# KiCad board ControlBoard.kicad_pcb (continued)
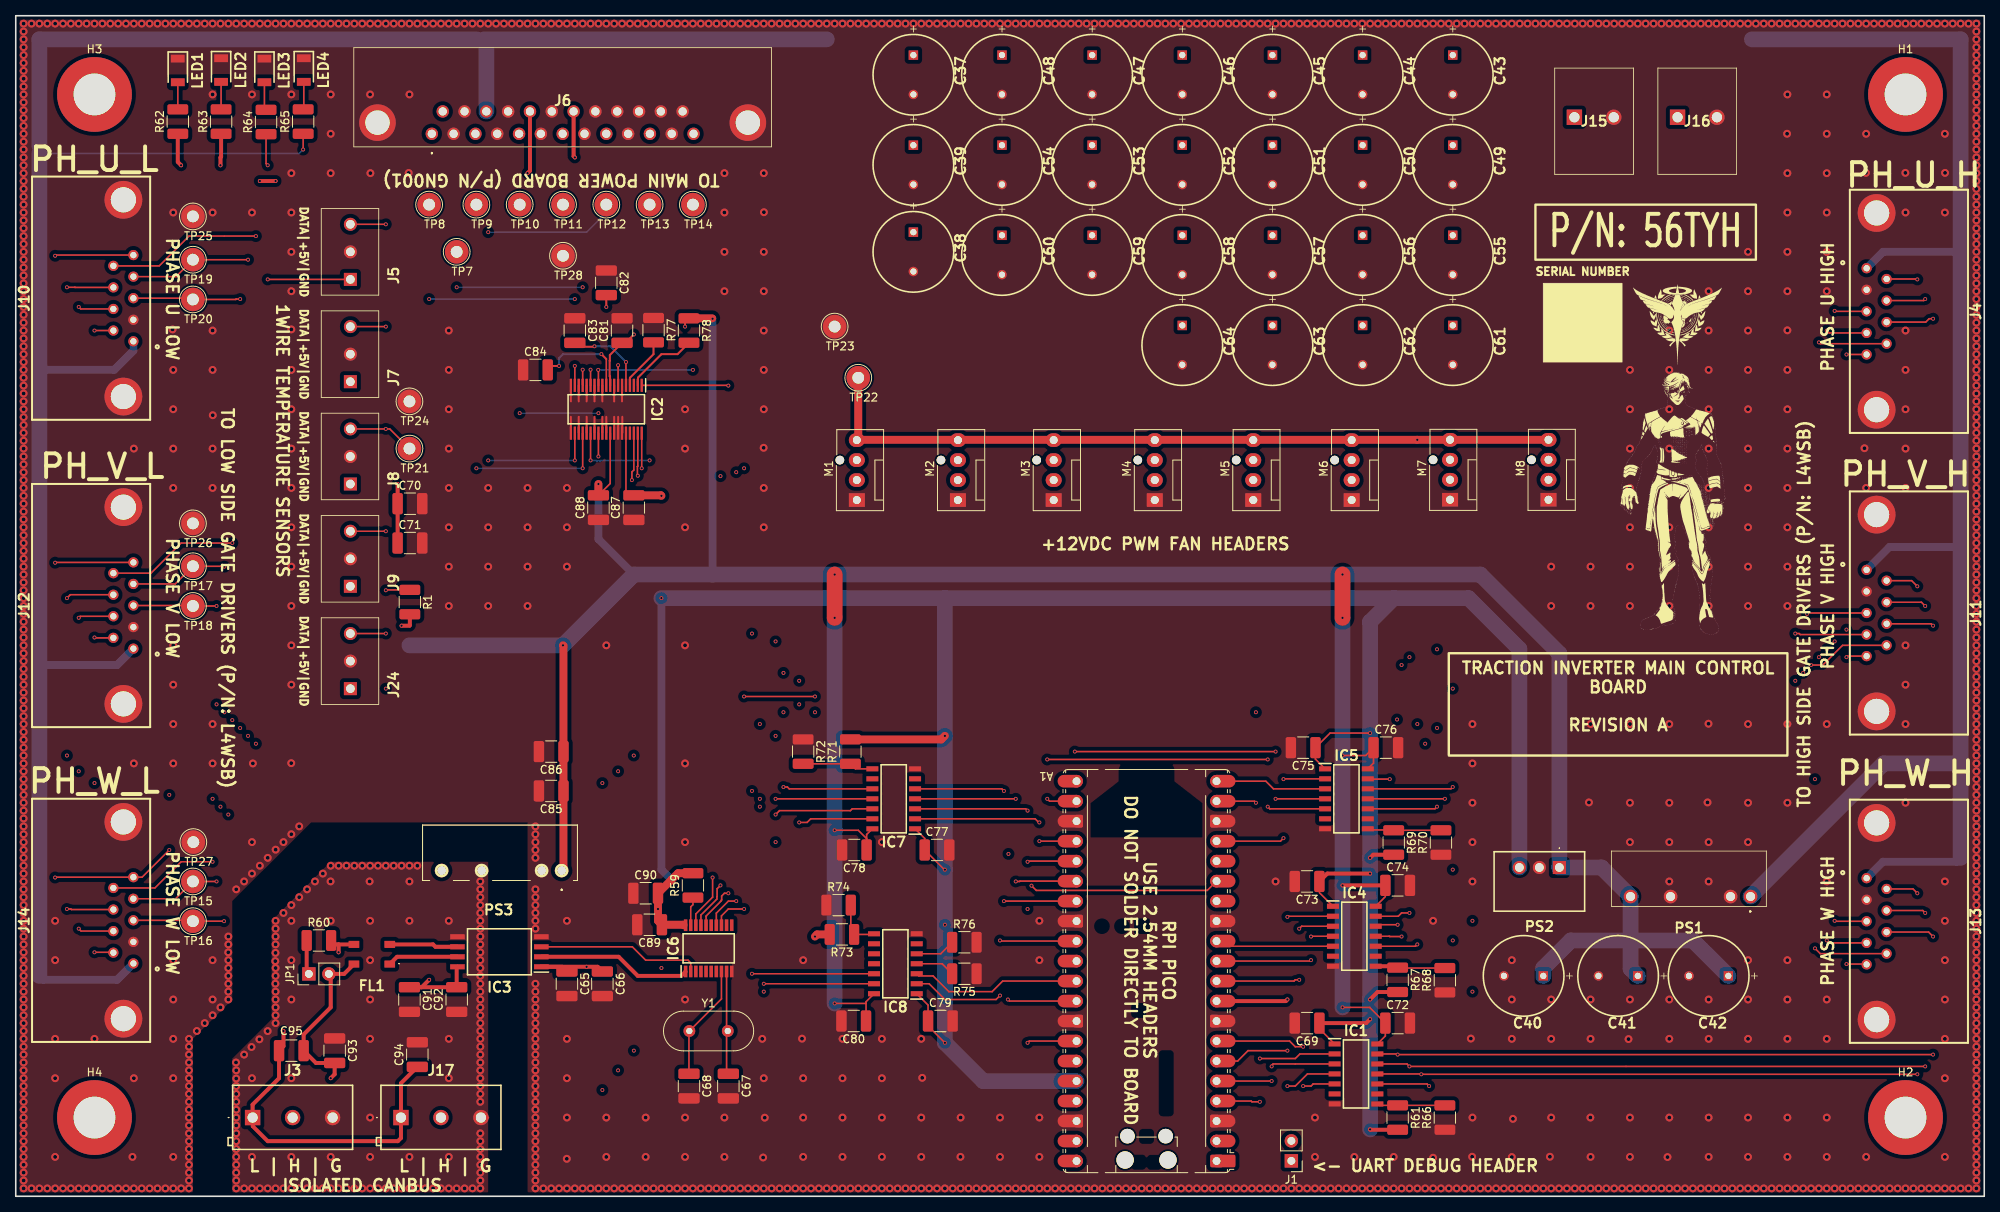
[diagram p0: board, top side]
## Routing (per net, layer and track width the routed paths; a pad name or vN(x,y) marks a point on that pad's centre or on a via; arc(x,y) is an arc through that point) (continued)
GATE_SPI_SCK: length 486
  Top w0.2: v2(6.5,76) 6.93,76.43 J12.8 ; J10.8 7.52,115.48 7.5,115.5 v2(6.5,115.5) ; v2(243.5,72.5) 243.26,72.74 J11.8 ; v2(243.5,18) v2(175.5,18) 175.42,18.08 IC1.13 ; J14.8 7.07,36.43 7,36.5 v2(6.5,36.5) ; v2(243.5,111.5) 243,111.5 242.57,111.07 J4.8 ; J13.8 242.93,33.57 v2(243.5,33)
  In1.Cu w0.2: v2(78.49,56) v2(6.5,56) ; v2(175.5,18) 175.42,17.92 158.39,17.92 157.81,18.5 v2(78.5,18.5)
  In2.Cu w0.2: v2(243.5,18) v2(243.5,33) v2(243.5,72.5) v2(243.5,111.5) ; v2(6.5,36.5) v2(6.5,56) v2(6.5,76) v2(6.5,115.5) ; v2(78.49,56) 78.5,55.99 v2(78.5,18.5)
GATE_SPI_TX: length 482.1
  Top w0.2: v2(8,113) 8.26,112.74 J10.7 ; v2(242.5,16.5) v2(177,16.5) 176.69,16.81 IC1.12 ; v2(8,34) 8.31,33.69 J14.7 ; J11.7 242.02,75.48 v2(242.5,75) ; J4.7 242.31,113.81 v2(242.5,114) ; v2(242.5,36) 242.19,36.31 J13.7 ; v2(8,73.5) 8.19,73.69 J12.7
  In1.Cu w0.2: v2(177,16.5) 176.42,15.92 76.58,15.92 v2(76.5,16) ; v2(76.5,54) v2(8,54)
  In2.Cu w0.2: v2(242.5,114) v2(242.5,75) v2(242.5,36) v2(242.5,16.5) ; v2(8,113) v2(8,73.5) v2(8,54) v2(8,34) ; v2(76.5,16) v2(76.5,54)
GATE_U_3v3_H_CS: length 24.6
  Top w0.2: IC4.2 161.58,35.58 v2(161.5,35.5)
  Top w0.5: A1.9 161.3,24.8 v2(161.5,25)
  In2.Cu w0.2: v2(161.5,35.5) v2(161.5,25)
GATE_U_3v3_L_CS: length 19.6
  Top w0.2: IC1.5 164.77,14.27 164.5,14 v2(163.5,14) ; v2(163.5,19) 162.5,19 161.78,19.72 A1.7
  In2.Cu w0.2: v2(163.5,14) v2(163.5,19)
GATE_U_H_CS: length 137.6
  Top w0.2: IC4.13 175.58,35.58 176,36 v2(177,36) ; v2(229,108.5) 229.17,108.33 J4.9
  In1.Cu w0.2: v2(229,68.5) v2(177,68.5)
  In2.Cu w0.2: v2(177,68.5) v2(177,36) ; v2(229,108.5) v2(229,68.5)
GATE_U_L_CS: length 283.1
  Top w0.2: v2(30.5,122) 22,122 18.22,118.22 J10.9 ; IC1.10 179.23,14.27 v2(179.5,14)
  In1.Cu w0.2: v2(30.5,57.5) v2(179,57.5)
  In2.Cu w0.2: v2(179,57.5) 179,16.5 179.5,16 v2(179.5,14) ; v2(30.5,122) v2(30.5,57.5)
GATE_V_3v3_H_CS: length 17.1
  Top w0.2: v2(164.5,30) 164.38,29.88 A1.11 ; IC4.4 164.54,33.04 v2(164.5,33)
  In2.Cu w0.2: v2(164.5,33) v2(164.5,30)
GATE_V_3v3_L_CS: length 20.7
  Top w0.2: v2(163,27.5) 162.5,27.5 162.34,27.34 A1.10 ; IC4.3 163.31,34.31 v2(163,34)
  In2.Cu w0.2: v2(163,34) v2(163,27.5)
GATE_V_H_CS: length 100.5
  Top w0.2: v2(176,33) 174.5,33 174.46,33.04 IC4.11 ; J11.9 232,70 229.5,67.5 v2(228,67.5)
  In1.Cu w0.2: v2(228,67.5) v2(176,67.5)
  In2.Cu w0.2: v2(176,33) 176.08,33.08 176.08,67.42 v2(176,67.5)
GATE_V_L_CS: length 216.1
  Top w0.2: J12.9 17.17,79.17 21,83 v2(27.5,83) ; v2(175.5,34.5) 172.9,34.5 IC4.12
  In1.Cu w0.2: v2(27.5,60.5) 27.58,60.58 v2(175.42,60.58)
  In2.Cu w0.2: v2(175.5,34.5) 175.42,34.58 v2(175.42,60.58) ; v2(27.5,83) v2(27.5,60.5)
GATE_W_3v3_H_CS: length 20.7
  Top w0.2: v2(161,45.5) 160.62,45.12 A1.17 ; IC5.2 161.04,53.04 v2(161,53)
  In2.Cu w0.2: v2(161,53) v2(161,45.5)
GATE_W_3v3_L_CS: length 14.3
  Top w0.2: IC4.5 153.95,31.77 A1.12
GATE_W_H_CS: length 87.7
  Top w0.2: IC5.13 171.75,53 v2(174.5,53) ; J13.9 229.17,30.83 v2(228.5,31.5)
  In1.Cu w0.2: v2(228.5,53) v2(174.5,53)
  In2.Cu w0.2: v2(228.5,31.5) v2(228.5,53)
GATE_W_L_CS: length 217.9
  Top w0.2: v2(25,42.5) 21,42.5 17.67,39.17 J14.9 ; v2(178,32) 177.77,31.77 IC4.10
  In1.Cu w0.2: v2(178,60) v2(94.5,60) ; v2(25,50.5) v2(94.5,50.5)
  In2.Cu w0.2: v2(94.5,60) v2(94.5,50.5) ; v2(25,42.5) v2(25,50.5) ; v2(178,60) v2(178,32)
PH_3v3_PWM_U_H: length 30.2
  Top w0.2: v2(127,40) 127.5,40 127.54,40.04 A1.26 ; IC7.4 v2(127,50.5)
  In2.Cu w0.2: v2(127,50.5) v2(127,40)
PH_3v3_PWM_U_L: length 50.2
  Top w0.2: v2(159,49.5) 159.27,49.23 IC5.5 ; v2(131,50.5) 131.3,50.2 A1.22 ; v2(159,55.5) v2(131,55.5)
  In2.Cu w0.2: v2(159,49.5) v2(159,55.5) ; v2(131,55.5) v2(131,50.5)
PH_3v3_PWM_V_H: length 34.6
  Top w0.2: v2(125.5,37.5) A1.27 ; IC7.5 125.23,51.77 v2(125.5,51.5)
  In2.Cu w0.2: v2(125.5,51.5) v2(125.5,37.5)
PH_3v3_PWM_V_L: length 23.1
  Top w0.2: A1.24 v2(130,45.12) ; IC7.2 129.46,47.96 129.92,47.5 v2(130,47.5)
  In2.Cu w0.2: v2(130,47.5) v2(130,45.12)
PH_3v3_PWM_W_H: length 27.6
  Top w0.2: A1.29 125.08,32.42 v2(125,32.5) ; v2(125,25.5) 124.5,25 118,25 116,27 IC8.2
  In2.Cu w0.2: v2(125,32.5) v2(125,25.5)
PH_3v3_PWM_W_L: length 27.1
  Top w0.2: v2(128.5,49) 128.27,49.23 IC7.3 ; v2(128.5,42.5) 128.58,42.58 A1.25
  In2.Cu w0.2: v2(128.5,49) v2(128.5,42.5)
PH_PWM_U_H: length 355.8
  Top w0.2: J4.3 231.06,112.44 v2(231,112.5) ; J10.4 20.35,116.85 TP19.1 v2(29.5,119) ; IC7.11 v2(96.5,50.5)
  In1.Cu w0.2: v2(231,70.5) v2(96.5,70.5) ; v2(29.5,58.5) v2(96.5,58.5)
  In2.Cu w0.2: v2(231,112.5) v2(231,70.5) ; v2(96.5,50.5) v2(96.5,58.5) v2(96.5,70.5) ; v2(29.5,119) v2(29.5,58.5)
PH_PWM_U_L: length 344.3
  Top w0.2: J4.4 230.3,109.7 v2(230,110) ; J10.3 22.34,114.11 TP20.1 27.95,113.95 28,114 v2(28.5,114) ; v2(180.5,49.5) 180.23,49.23 IC5.10
  In1.Cu w0.2: v2(180.5,59.5) 180.42,59.42 28.58,59.42 v2(28.5,59.5) ; v2(230,69.5) v2(180.5,69.5)
  In2.Cu w0.2: v2(28.5,114) v2(28.5,59.5) ; v2(180.5,69.5) v2(180.5,59.5) v2(180.5,49.5) ; v2(230,110) v2(230,69.5)
PH_PWM_V_H: length 272.7
  Top w0.2: v2(97.5,52) 98,52 98.23,51.77 IC7.10 ; v2(227.5,74) 227.61,74.11 J11.3 ; v2(26.5,80) 26.45,80.05 TP17.1 20.25,77.8 J12.4
  In1.Cu w0.2: v2(227,66.5) v2(97.5,66.5) ; v2(26.5,61.5) v2(97.5,61.5)
  In2.Cu w0.2: v2(97.5,66.5) v2(97.5,61.5) v2(97.5,52) ; v2(26.5,80) v2(26.5,61.5) ; v2(227,66.5) 227.42,66.92 227.42,73.92 v2(227.5,74)
PH_PWM_V_L: length 266.2
  Top w0.2: J12.3 22.44,75.06 TP18.1 v2(25.5,75) ; v2(99.5,47.5) 100.5,47.5 100.96,47.96 IC7.13 ; v2(226,71.5) 226.5,71.5 226.63,71.37 J11.4
  In1.Cu w0.2: v2(25.5,62.5) v2(99.5,62.5) ; v2(226,65.5) v2(99.5,65.5)
  In2.Cu w0.2: v2(99.5,47.5) v2(99.5,62.5) v2(99.5,65.5) ; v2(25.5,75) v2(25.5,62.5) ; v2(226,71.5) v2(226,65.5)
PH_PWM_W_H: length 276.5
  Top w0.2: J13.3 231.06,34.94 v2(231,35) ; v2(25.5,40) TP15.1 20.3,37.8 J14.4 ; v2(95,27) IC8.13
  In1.Cu w0.2: v2(185,26) 125.31,26 125.24,26.08 124.76,26.08 124.69,26 v2(95,26) ; v2(26,49.5) v2(94.5,49.5) ; v2(231,35) v2(185,35)
  In2.Cu w0.2: v2(94.5,49.5) 94.5,27.5 v2(95,27) v2(95,26) ; v2(185,35) v2(185,26) ; v2(26,49.5) 26,40.5 v2(25.5,40)
PH_PWM_W_L: length 260.1
  Top w0.2: J13.4 230.3,32.2 v2(230,32.5) ; J14.3 22.39,35.06 TP16.1 v2(26.45,34.95) ; v2(96.5,48.5) 97,49 106,49 106.23,49.23 IC7.12
  In1.Cu w0.2: v2(96.5,45) 127.5,45 128.56,43.94 176.94,43.94 179.39,41.5 v2(182.5,41.5) ; v2(230,32.5) v2(182.5,32.5) ; v2(27,48.5) v2(96.5,48.5)
  In2.Cu w0.2: v2(96.5,48.5) v2(96.5,45) ; v2(27,48.5) 27,35.5 v2(26.45,34.95) ; v2(182.5,32.5) v2(182.5,41.5)
PHASE_U_ISENSE: length 60.5
  Top w0.2: v2(72,92.5) IC2.23
  In1.Cu w0.2: v2(58.5,92.5) TP9.1 58.38,126.12 J6.3
  Bottom w0.2: v2(58.5,92.5) v2(72,92.5)
PHASE_U_ISOLATED_VSENSE: length 69.5
  Top w0.2: IC2.21 v2(71,93.5)
  In1.Cu w0.2: J6.9 75,125 ; v2(60,122.5) v2(60,93.5)
  Bottom w0.2: v2(60,122.5) 72.5,122.5 75,125 ; v2(71,93.5) v2(60,93.5)
PHASE_V_ISENSE: length 54
  Top w0.2: IC2.27 v2(74,94)
  In1.Cu w0.2: v2(64,99.5) TP10.1 63.92,126.08 J6.5 ; v2(74,94) v2(74,99.5)
  Bottom w0.2: v2(74,99.5) v2(64,99.5)
PHASE_V_ISOLATED_VSENSE: length 52.5
  Top w0.2: v2(73,93.5) IC2.25
  In1.Cu w0.2: v2(80.5,93.5) 80.54,93.54 J6.11
  Bottom w0.2: v2(80.5,93.5) 74.28,93.5 74.23,93.45 73.77,93.45 73.72,93.5 v2(73,93.5)
PHASE_W_ISENSE: length 33.4
  Top w0.2: v2(73,105.03) IC2.14
  In1.Cu w0.2: v2(73,105.03) 72.9,105.13 72.9,122.6 TP11.1 69.46,126.04 J6.7
PHASE_W_ISOLATED_VSENSE: length 44
  Top w0.2: IC2.12 74,104.97 v2(73.97,105)
  In1.Cu w0.2: v2(86,105) 86.08,105.08 J6.13
  Bottom w0.2: v2(86,105) v2(73.97,105)
SPI2_RX: length 140.4
  Top w0.2: v2(89.5,39.5) 89.08,39.07 89.08,38.07 89.05,38.05 89.05,37.77 87.03,35.75 IC6.17 ; v2(78.25,91) 78.25,92.03 78.5,92.28 IC2.36
  In1.Cu w0.2: A1.16 151.32,41.4 128.1,41.4 127.5,42 125,42 122.5,39.5 v2(89.5,39.5) ; v2(89.5,91.5) 80.25,91.5 79.75,91 v2(78.25,91)
  In2.Cu w0.2: v2(89.5,39.5) v2(89.5,91.5)
SPI2_SCK: length 139.5
  Top w0.2: v2(79,91.55) 78.95,91.6 78.95,92.73 79,92.78 IC2.37 ; v2(91.5,37.5) 90.5,37.5 88.97,35.97 IC6.14
  In1.Cu w0.2: v2(79,91.55) 79.33,91.55 79.78,92 89.22,92 89.27,92.05 89.73,92.05 89.78,92 v2(91.5,92) ; A1.14 151.14,38.86 124.86,38.86 123.5,37.5 v2(91.5,37.5)
  In2.Cu w0.2: v2(91.5,37.5) v2(91.5,92)
SPI2_TX: length 145.5
  Top w0.2: A1.15 151.32,38.86 129.6,38.86 v2(129,39.47) ; v2(90.5,38.5) 90,38.5 89.65,38.15 89.65,37.65 89.6,37.6 89.6,37.54 87.7,35.64 87.7,35.55 87.67,35.53 IC6.16 ; v2(90.5,103) 90.46,103.04 IC2.1
  In1.Cu w0.2: v2(129,39.47) 129,39.5 127.5,41 125.5,41 123,38.5 v2(90.5,38.5)
  In2.Cu w0.2: v2(90.5,103) v2(90.5,38.5)
StatusLED: length 55.4
  Top w0.5: v2(71,132) 70.84,132.16 J6.19 ; v2(26,131) 26,132 26.08,132.08 R63.1
  In2.Cu w0.5: v2(71,132) 32,132 31,131 v2(26,131)
Net-(A1-GPIO0): length 9.5
  In2.Cu w0.2: A1.1 161.98,4.48 J1.1
Net-(A1-GPIO1): length 9.5
  In2.Cu w0.2: A1.2 161.98,7.02 J1.2
Net-(IC1-OE): length 8.4
  Top w0.2: R66.2 173.1,11.55
Net-(IC2-AUX_IN): length 12.4
  Top w0.2: IC2.10 75,106.38
  Top w0.25: C84.2 68.06,105.5 v2(69,105.5) ; v2(74.38,107) 75,106.38
  Bottom w0.25: v2(69,105.5) 69,106.5 69.5,107 v2(74.38,107)
Net-(IC2-REFCAP): length 12.1
  Top w0.2: IC2.7 76.5,105.38
  Top w0.25: v2(75,113) C82.2 ; 76.5,105.38 v2(76.5,105.6)
  In1.Cu w0.25: v2(76.5,105.6) 76.5,111.5 v2(75,113)
Net-(IC2-REFIO): length 10.5
  Top w0.2: v2(77.5,106) IC2.5
  Top w0.25: C83.2 71.5,107.94 73.44,107.94 v2(73.5,108)
  Bottom w0.25: v2(77.5,106) 75.5,108 v2(73.5,108)
Net-(IC2-~{REFSEL}): length 6.7
  Top w0.25: R77.2 81,107 78,104 IC2.4
Net-(IC2-~{RST}/~{PD}): length 9.3
  Top w0.25: IC2.2 79,103.5 79.02,103.52 79.02,104.02 82,107 84.05,107 R78.2
Net-(IC3-CANH): length 9
  Top w0.5: FL1.1 48.43,30.43 IC3.7
Net-(IC3-CANL): length 8.7
  Top w0.5: FL1.2 53,32 53.3,31.7 IC3.6
Net-(IC3-RXD): length 20.9
  Top w0.2: IC3.3 78.3,31.7 80,30 85.37,30 85.72,29.65 IC6.2
Net-(IC3-TXD): length 19.6
  Top w0.5: IC3.2 76.57,30.43 79,28 84.51,28 85.05,28.54 85.05,28.56
Net-(IC4-OE): length 8.8
  Top w0.2: R68.2 175.55,29
  Top w0.5: IC4.8 175.32,29.23 R67.1
Net-(IC5-OE): length 9.6
  Top w0.2: 175.5,46.55 171.85,46.55 ; R70.2 R69.1
Net-(IC6-OSC1): length 13.1
  Top w0.2: C67.1 90.28,15.79 IC6.9
Net-(IC6-OSC2): length 14.7
  Top w0.2: C68.1 85.5,20.95 Y1.1 89.62,25.07 IC6.8
Net-(IC6-~{RESET}): length 3.6
  Top w0.2: R59.1 86,37.05 85.72,36.78 IC6.19
Net-(IC7-OE): length 9.1
  Top w0.2: R72.2 R71.1 106.64,54.31 IC7.8
Net-(IC8-A3): length 5
  Top w0.2: R75.2 117.65,29.54 IC8.4
Net-(IC8-A4): length 5.1
  Top w0.2: IC8.5 117.46,30.81 R76.1
Net-(IC8-OE): length 6.5
  Top w0.2: R74.2 106.05,33.69 R73.1 108.92,33.27 IC8.8
Net-(JP1-A): length 4.4
  Top w0.5: JP1.1 36.95,28.53 R60.1
Net-(LED1-A): length 3.4
  Top w0.2: LED1.2 R62.2
Net-(LED2-A): length 3.5
  Top w0.2: LED2.2 R63.2
Net-(LED3-A): length 3.6
  Top w0.2: R64.2 31.58,138.26 LED3.2
Net-(LED4-A): length 3.5
  Top w0.2: LED4.2 36.58,138.18 R65.2

## Copper pours and planes (outline as drawn; the poured copper is in the pictures)
+5V on Bottom: 37.5,127.5 50,127.5 50,60 37.5,60
+12V on Bottom: 100,150 100,82.5 200,82.5 200,105 222.5,127.5 222.5,150
GND on Top: 250,0 250,150 0,150 0,0 22.5,0 22.5,20 27.5,25 27.5,37.5 37.5,47.5 65,47.5 65,0
GND on Bottom, In1.Cu, In2.Cu: 250,0 250,150 0,150 0,0 22.5,0 22.5,20 27.5,25 27.5,37.5 37.5,47.5 65,47.5 65,0
CANBUS_ISO_5V on In2.Cu: 27.5,17.5 32.5,22.5 32.5,35 40,42.5 60,42.5 60,0 27.5,0
CANBUS_ISO_GND on Top, Bottom: 27.5,17.5 32.5,22.5 32.5,35 40,42.5 60,42.5 60,0 27.5,0

## Text on the board
B.Silkscreen: P/N: 56TYH
F.Silkscreen: SERIAL NUMBER | DATA|+5V|GND | L | H | G | ISOLATED CANBUS | +12VDC PWM FAN HEADERS | <- UART DEBUG HEADER | TO HIGH SIDE GATE DRIVERS (P/N: L4WSB) | PHASE U HIGH | PHASE V HIGH | PHASE W HIGH | TO MAIN POWER BOARD (P/N GN001) | RPI PICO / USE 2.54MM HEADERS / DO NOT SOLDER DIRECTLY TO BOARD | PHASE U LOW | PHASE V LOW | PHASE W LOW | TO LOW SIDE GATE DRIVERS (P/N: L4WSB) | 1WIRE TEMPERATURE SENSORS | PH_U_L | PH_W_L | PH_V_L | PH_V_H | PH_W_H | PH_U_H | TRACTION INVERTER MAIN CONTROL BOARD / REVISION A | P/N: 56TYH
